# Altium PCB MB1635.PcbDoc (part 1 of 10) (continued)
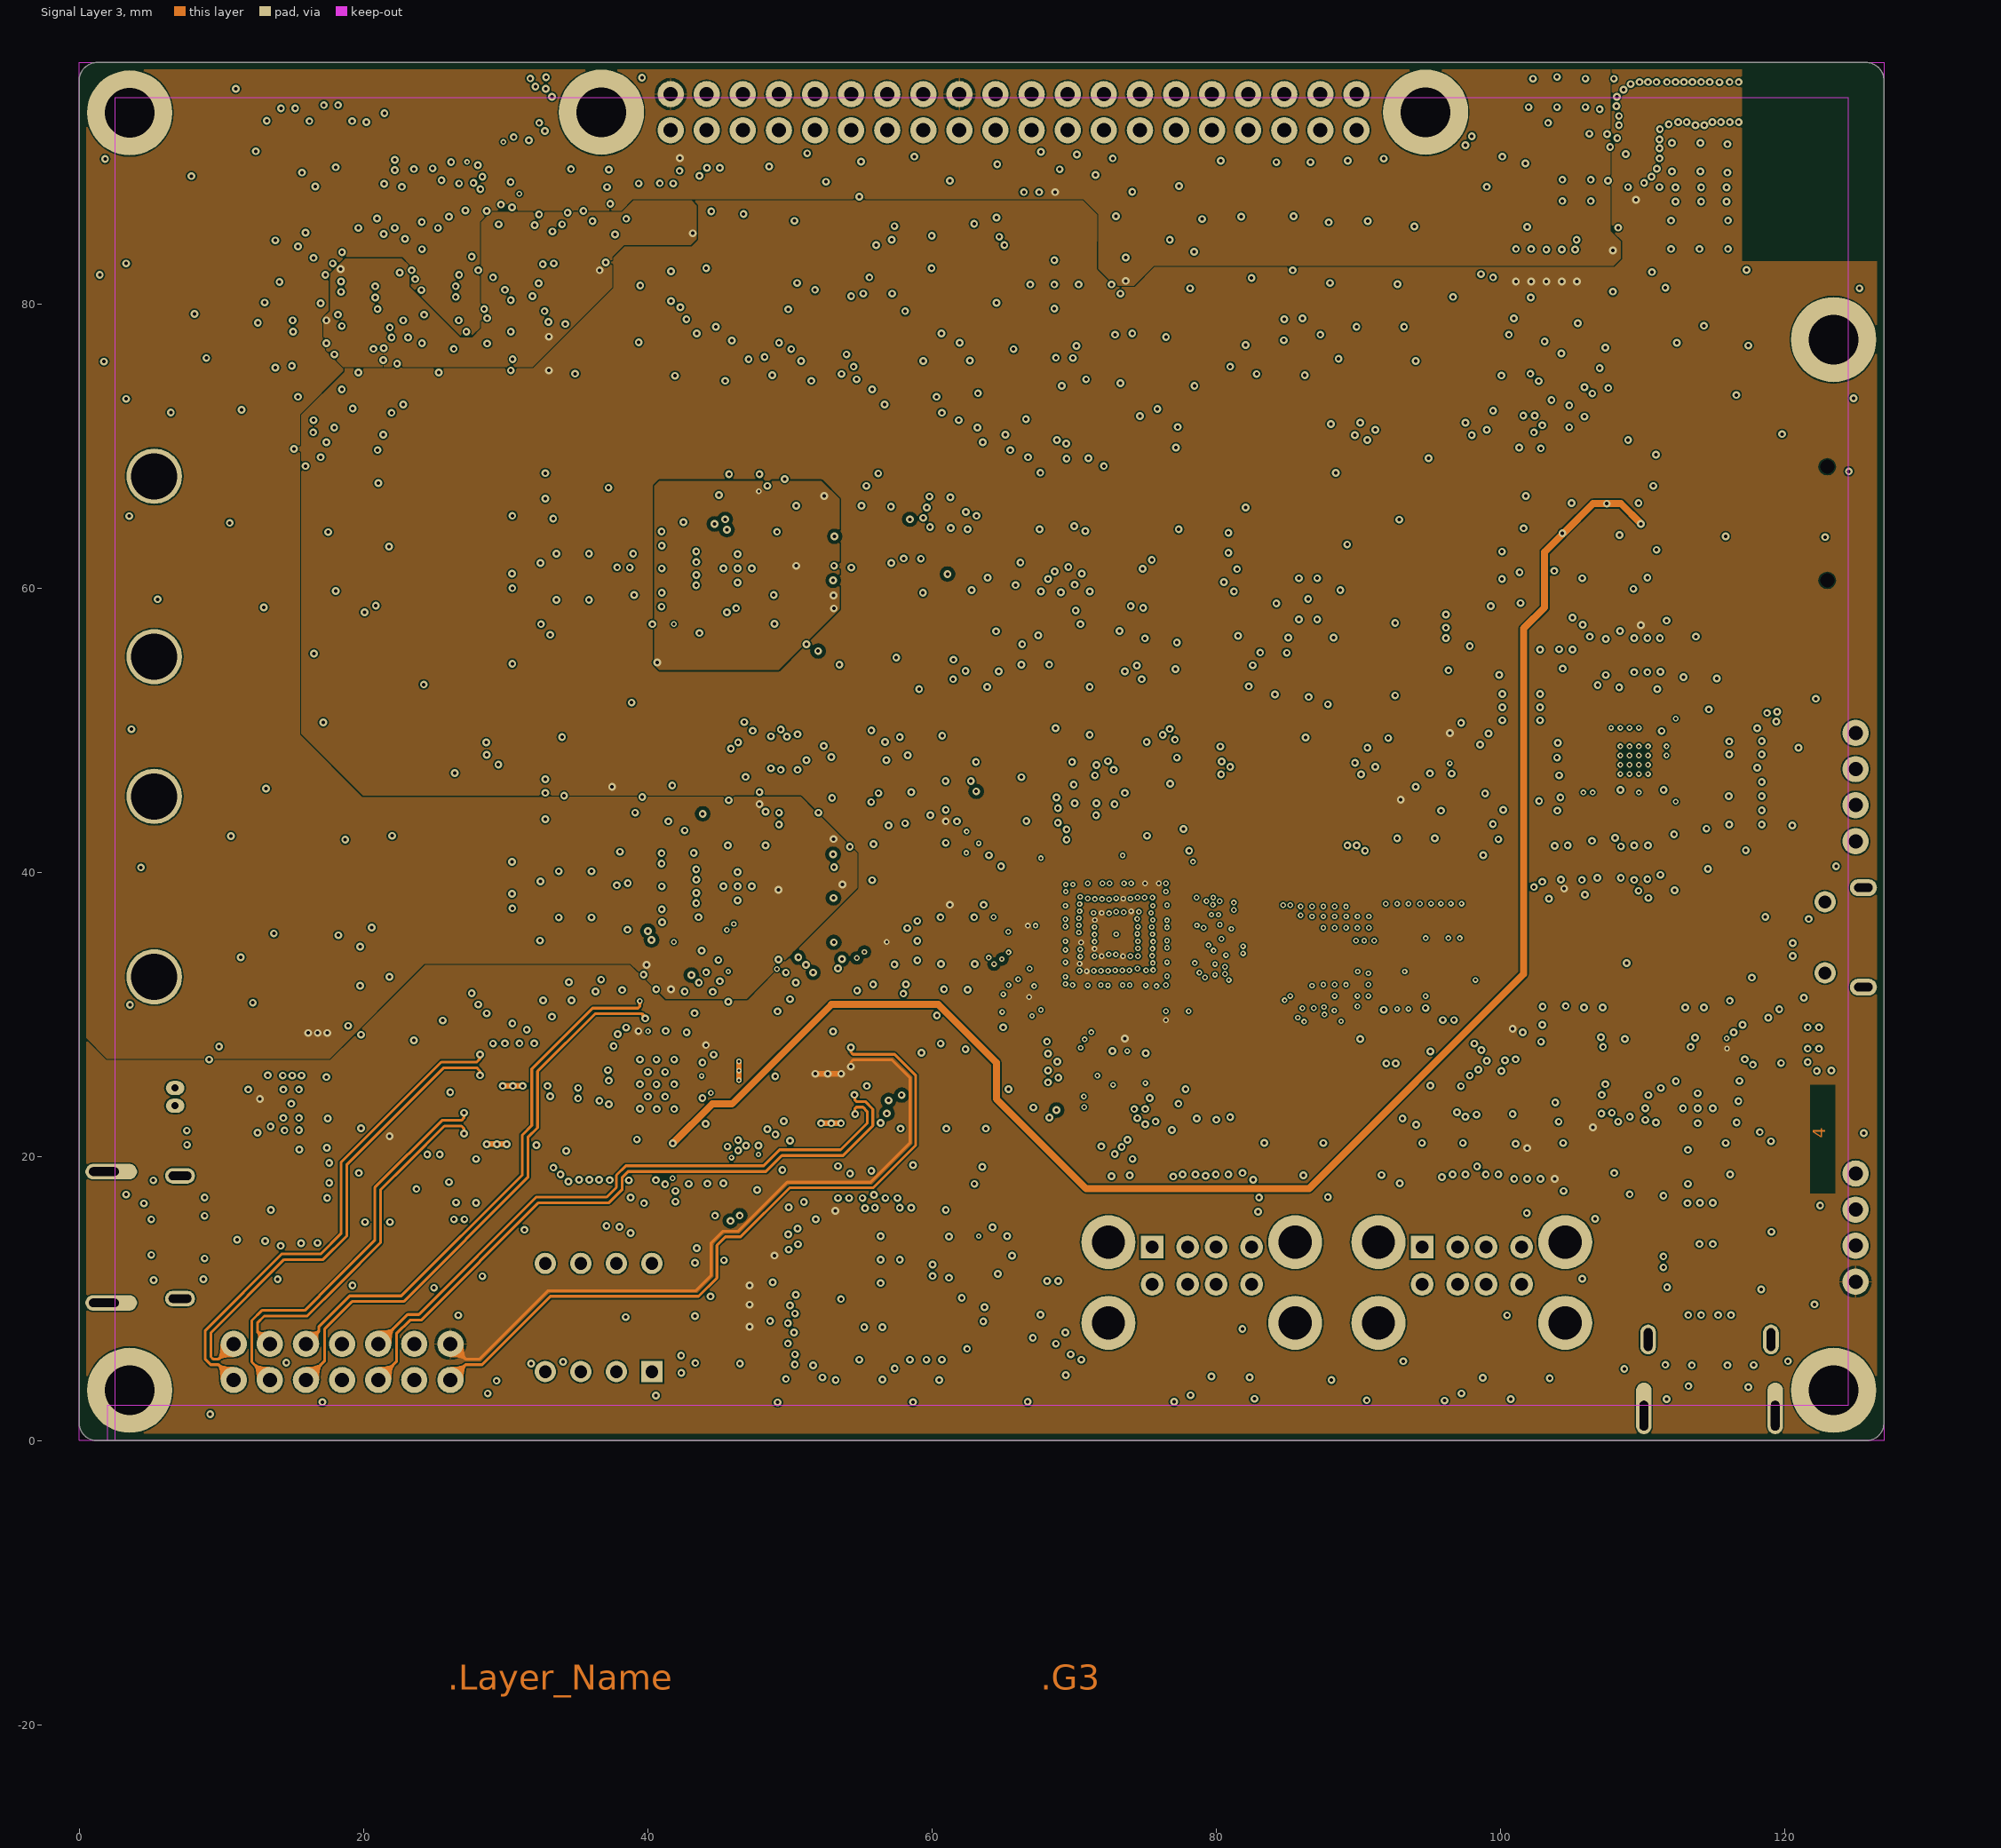
[diagram p4: Signal Layer 3]
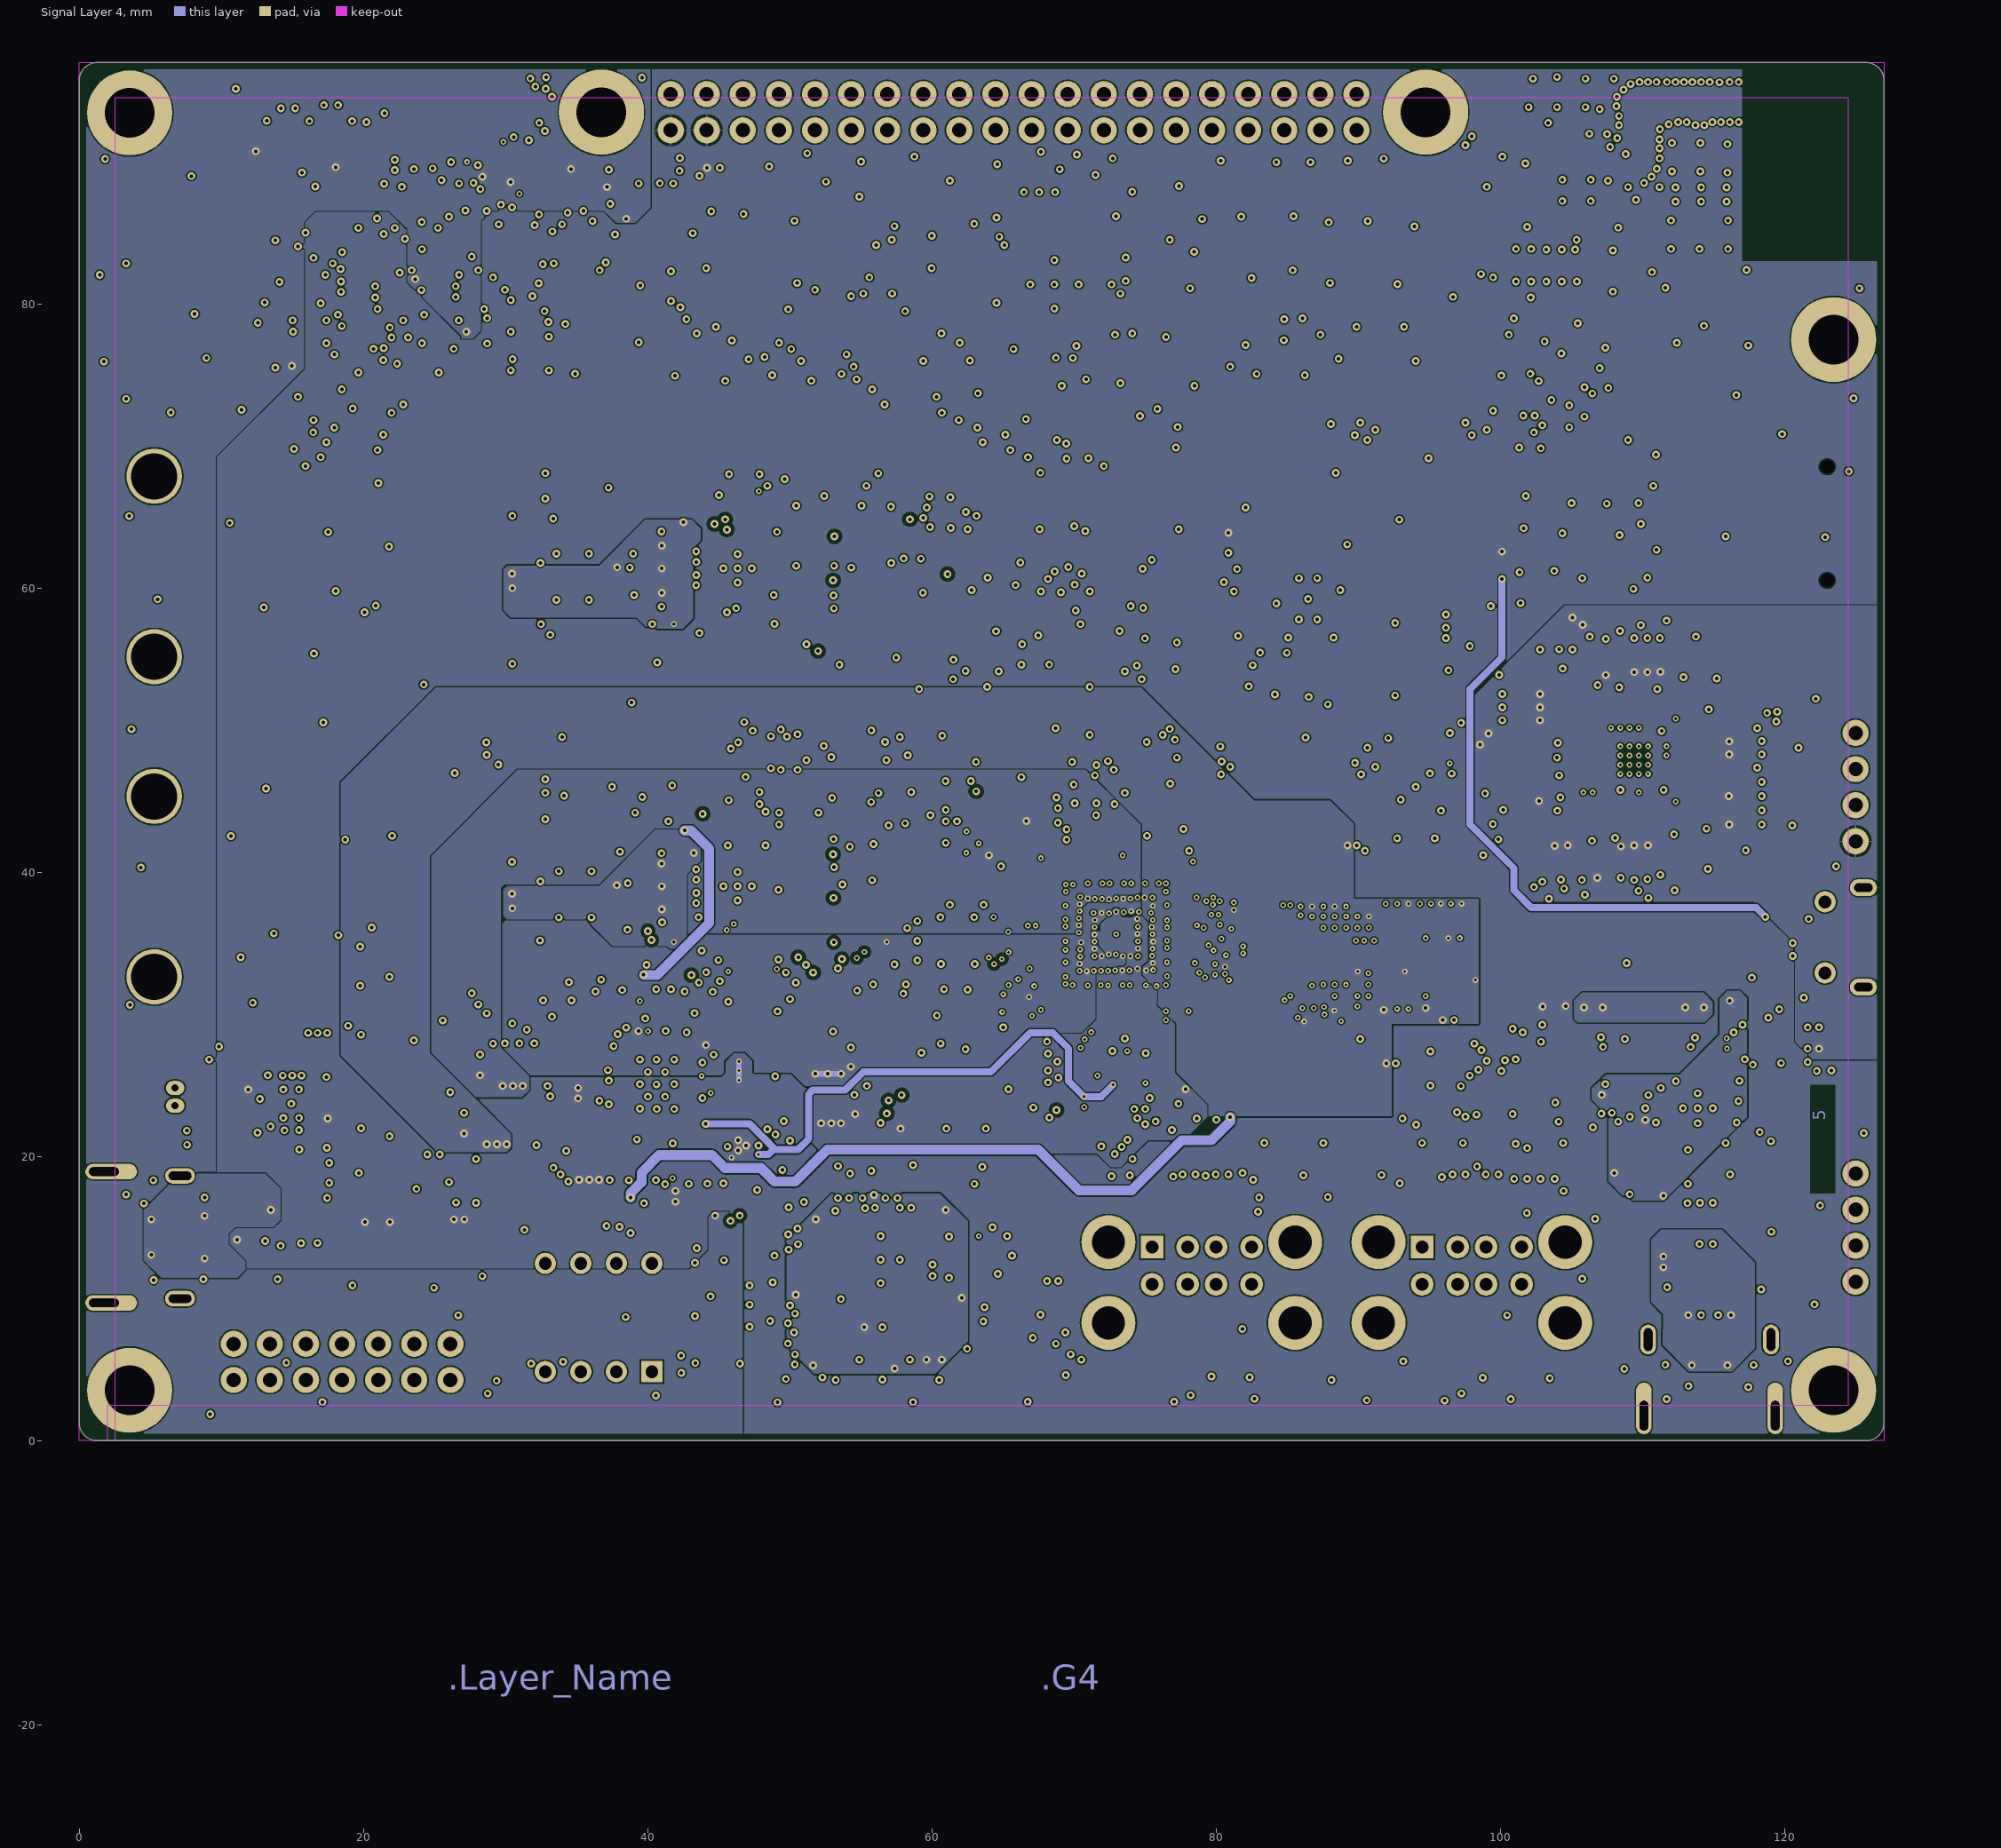
[diagram p5: Signal Layer 4]

## Layer stack, top to bottom
Top Solder: solder mask 0.025, Solder Resist, Dk 3.5
Top Layer: signal copper 0.027
Dielectric 1: prepreg 0.068, Dk 4
Signal Layer 1: signal copper 0.033
Dielectric 2: prepreg 0.51, Dk 4
Signal Layer 2: signal copper 0.033
Dielectric 3: core 0.215, Dk 5
Signal Layer 3: signal copper 0.033
Dielectric 4: prepreg 0.51, Dk 4
Signal Layer 4: signal copper 0.033
Dielectric5: prepreg 0.068, Dk 4
Bottom Layer: signal copper 0.027
Bottom Solder: solder mask 0.025, Solder Resist, Dk 3.5

## Board outline
0,1.27 0,95.73 cw(c1.27,95.73) 1.27,97 125.73,97 cw(c125.73,95.73) 127,95.73 127,1.27 cw(c125.73,1.27) 125.73,0 1.27,0 cw(c1.27,1.27)

## Design rules (kind name [scope] priority, off if disabled: settings)
BoardOutlineClearance [All] p1: gap=0.5 ignorepadtopadclearanceinfootprint=FALSE except(0: Arc-SplitContinuation Track-SplitContinuation SMDPad-SplitContinuation THPad-SplitContinuation Via-SplitContinuation Fill-SplitContinuation Poly-SplitContinuation Region-SplitContinuation Text-SplitContinuation)
Clearance Clearance_keepout_copper [KeepoutRestrictionsCopper] p1: gap=0 ignorepadtopadclearanceinfootprint=FALSE except(0.1: SMDPad-Fill SMDPad-Poly SMDPad-Region Fill-Fill Fill-Poly Fill-Region Poly-Poly Poly-Region Region-Region)
Clearance Clearance_keepout_track [KeepoutRestrictionsTrack] p2: gap=0 ignorepadtopadclearanceinfootprint=FALSE except(0.1: SMDPad-Fill SMDPad-Poly SMDPad-Region Fill-Fill Fill-Poly Fill-Region Poly-Poly Poly-Region Region-Region)
Clearance Clearance_MCU [WithinRoom('RoomDefinition')and TouchesRoom('RoomDefinition')] p3: gap=0.094 ignorepadtopadclearanceinfootprint=FALSE except(0: Arc-Hole Track-Hole SMDPad-Hole THPad-Hole Via-Hole Fill-Hole Poly-Hole Region-Hole Text-Hole; 0.1: Via-Via)
Clearance Clearance_DDR [WithinRoom('RoomDefinition_1')and TouchesRoom('RoomDefinition_1')] p4: gap=0.094 ignorepadtopadclearanceinfootprint=FALSE except(0: Arc-Hole Track-Hole SMDPad-Hole THPad-Hole Via-Hole Fill-Hole Poly-Hole Region-Hole Text-Hole; 0.1: Via-Via)
Clearance Clearance_SDMMC1 [InNetClass('SDMMC1') vs InNetClass('All Nets')] p5: gap=0.1 ignorepadtopadclearanceinfootprint=FALSE except(0: Arc-Hole Track-Hole SMDPad-Hole THPad-Hole Via-Hole Fill-Hole Poly-Hole Region-Hole Text-Hole; 0.15: Arc-Fill Track-Fill SMDPad-Fill THPad-Fill Via-Fill Fill-Fill; 0.2: THPad-THPad; 0.25: Track-Track)
Clearance Clearance_RGMII [InNetClass('RGMII_ETH_RXD_TXD')] p6: gap=0.1 ignorepadtopadclearanceinfootprint=FALSE except(0: Arc-Hole Track-Hole SMDPad-Hole THPad-Hole Via-Hole Fill-Hole Poly-Hole Region-Hole Text-Hole; 0.15: Arc-Fill Arc-Region Track-Fill Track-Region SMDPad-Fill SMDPad-Region THPad-Fill THPad-Region Via-Fill Via-Region Fill-Fill Fill-Region Poly-Region Region-Region; 0.2: Arc-THPad Track-THPad SMDPad-SMDPad SMDPad-THPad THPad-THPad; 0.26: Arc-Poly Track-Poly SMDPad-Poly THPad-Poly Via-Poly Fill-Poly Poly-Poly)
Clearance [All] p7: gap=0.1 ignorepadtopadclearanceinfootprint=FALSE except(0: Arc-Hole Track-Hole SMDPad-Hole THPad-Hole Via-Hole Fill-Hole Poly-Hole Region-Hole Text-Hole; 0.15: Arc-Fill Track-Fill SMDPad-Fill THPad-Fill Via-Fill Fill-Fill; 0.2: THPad-THPad)
ComponentClearance [HasFootprint('TP_SMD_1MM') vs HasFootprint('No Footprint')] p1: gap=0.2 collisioncheckmode=3 verticalgap=0.2 showdistances=FALSE
DiffPairsRouting I_SENSE [InDifferentialPairClass('I_SENSE')] p1: maxlimit=0.2 minlimit=0.2 mostfreqgap=0.2 toplayer_minwidth=0.09 toplayer_maxwidth=0.4 toplayer_prefwidth=0.2 midlayer1_minwidth=0.09 midlayer1_maxwidth=0.4 midlayer1_prefwidth=0.2 midlayer2_minwidth=0.09 midlayer2_maxwidth=0.4 midlayer2_prefwidth=0.2 midlayer3_minwidth=0.09 midlayer3_maxwidth=0.4 midlayer3_prefwidth=0.2 midlayer4_minwidth=0.09 midlayer4_maxwidth=0.4 midlayer4_prefwidth=0.2 bottomlayer_minwidth=0.09 bottomlayer_maxwidth=0.4 bottomlayer_prefwidth=0.2 maxuncoupledlength=12.7
DiffPairsRouting DiffPairsRouting_DIFF_100Ohms [InDifferentialPairClass('Diff_100Ohms')] p2: maxlimit=0.3 minlimit=0.127 mostfreqgap=0.3 toplayer_mingap=0.17 toplayer_maxgap=0.17 toplayer_prefgap=0.17 toplayer_minwidth=0.09 toplayer_maxwidth=0.09 toplayer_prefwidth=0.09 midlayer1_mingap=0.25 midlayer1_minwidth=0.075 midlayer1_maxwidth=0.075 midlayer1_prefwidth=0.075 midlayer2_maxgap=0.127 midlayer2_prefgap=0.127 midlayer2_minwidth=0.075 midlayer2_maxwidth=0.075 midlayer2_prefwidth=0.075 midlayer3_maxgap=0.127 midlayer3_prefgap=0.127 midlayer3_minwidth=0.075 midlayer3_maxwidth=0.075 midlayer3_prefwidth=0.075 midlayer4_mingap=0.3 midlayer4_minwidth=0.075 midlayer4_maxwidth=0.075 midlayer4_prefwidth=0.075 bottomlayer_mingap=0.17 bottomlayer_maxgap=0.17 bottomlayer_prefgap=0.17 bottomlayer_minwidth=0.09 bottomlayer_maxwidth=0.09 bottomlayer_prefwidth=0.09 impedanceprofiledriven=TRUE impedanceprofileid={5577E63A-EB22-4F3A-99DF-7BFE230ABC16} impedanceprofilevalue=100.000000 maxuncoupledlength=12.7
DiffPairsRouting DiffPairsRouting_USB_90Ohms [InDifferentialPairClass('USB_90Ohms')] p3: maxlimit=0.13 minlimit=0.127 mostfreqgap=0.127 toplayer_mingap=0.13 toplayer_prefgap=0.13 toplayer_minwidth=0.1 toplayer_maxwidth=0.1 toplayer_prefwidth=0.1 midlayer1_maxgap=0.127 midlayer1_minwidth=0.066 midlayer1_maxwidth=0.066 midlayer1_prefwidth=0.066 midlayer2_maxgap=0.127 midlayer2_minwidth=0.113 midlayer2_maxwidth=0.113 midlayer2_prefwidth=0.113 midlayer3_maxgap=0.127 midlayer3_minwidth=0.113 midlayer3_maxwidth=0.113 midlayer3_prefwidth=0.113 midlayer4_maxgap=0.127 midlayer4_minwidth=0.066 midlayer4_maxwidth=0.066 midlayer4_prefwidth=0.066 bottomlayer_mingap=0.13 bottomlayer_prefgap=0.13 bottomlayer_minwidth=0.1 bottomlayer_maxwidth=0.1 bottomlayer_prefwidth=0.1 impedanceprofiledriven=TRUE impedanceprofileid={A0CE1C67-AEA5-4110-ADE4-376356967360} impedanceprofilevalue=90.000000 maxuncoupledlength=12.7
FanoutControl Fanout_BGA [IsBGA] p1: bgadir=Out bgaviamode=Closest fanoutstyle=Auto fanoutdirection=Alternating viagrid=0.025 // Fanout_BGA (Default Rule)
FanoutControl Fanout_LCC [IsLCC] p2: bgadir=Out bgaviamode=Closest fanoutstyle=Auto fanoutdirection=Alternating viagrid=0.025 // Fanout_LCC (Default Rule)
FanoutControl Fanout_SOIC [IsSOIC] p3: bgadir=Out bgaviamode=Closest fanoutstyle=Auto fanoutdirection=Alternating viagrid=0.025 // Fanout_SOIC (Default Rule)
FanoutControl Fanout_Small [(CompPinCount < 5)] p4: bgadir=Out bgaviamode=Closest fanoutstyle=Auto fanoutdirection=OutThenIn viagrid=0.025 // Fanout_Small (Default Rule)
FanoutControl Fanout_Default [All] p5: bgadir=Out bgaviamode=Closest fanoutstyle=Auto fanoutdirection=Alternating viagrid=0.025 // Fanout_Default (Default Rule)
HoleSize [All] p1: absolutevalues=TRUE maxlimit=10 minlimit=0.025 maxpercent=80.000 minpercent=20.000
HoleToHoleClearance [All] p1: gap=0.25 allowstackedmicrovias=TRUE
Length Length_SDMMC1 [InNetClass('SDMMC1')] p1: maxlimit=100 minlimit=0
MatchedLengths "Schematic Matched Net Lengths_9" [InNetClass('LCD_R[2..7]')] p1: tolerance=2.54 checknetsindiffpair=FALSE checkdiffpairvsdiffpair=TRUE checkxsignals=TRUE checkothers=TRUE
MatchedLengths "Schematic Matched Net Lengths_8" [InNetClass('LCD_B[2..7]')] p2: tolerance=2.54 checknetsindiffpair=FALSE checkdiffpairvsdiffpair=TRUE checkxsignals=TRUE checkothers=TRUE
MatchedLengths "Schematic Matched Net Lengths_7" [InNetClass('LCD_G[2..7]')] p3: tolerance=2.54 checknetsindiffpair=FALSE checkdiffpairvsdiffpair=TRUE checkxsignals=TRUE checkothers=TRUE
MatchedLengths "Schematic Matched Net Lengths_6" [InNet('LCD_VSYNC')] p4: tolerance=2.54 checknetsindiffpair=FALSE checkdiffpairvsdiffpair=TRUE checkxsignals=TRUE checkothers=TRUE
MatchedLengths "Schematic Matched Net Lengths_5" [InNet('LCD_CLK')] p5: tolerance=2.54 checknetsindiffpair=FALSE checkdiffpairvsdiffpair=TRUE checkxsignals=TRUE checkothers=TRUE
MatchedLengths "Schematic Matched Net Lengths_4" [InNet('LCD_HSYNC')] p6: tolerance=2.54 checknetsindiffpair=FALSE checkdiffpairvsdiffpair=TRUE checkxsignals=TRUE checkothers=TRUE
MatchedLengths "Schematic Matched Net Lengths_3" [InNet('USB_DEV_HS_CN_N')] p7: tolerance=2 checknetsindiffpair=TRUE checkdiffpairvsdiffpair=FALSE checkxsignals=FALSE checkothers=FALSE
MatchedLengths "Schematic Matched Net Lengths_2" [InNet('USB_DEV_HS_N')] p8: tolerance=2 checknetsindiffpair=TRUE checkdiffpairvsdiffpair=FALSE checkxsignals=FALSE checkothers=FALSE
MatchedLengths "Schematic Matched Net Lengths_1" [InNet('USB_DEV_HS_CN_P')] p9: tolerance=2 checknetsindiffpair=TRUE checkdiffpairvsdiffpair=FALSE checkxsignals=FALSE checkothers=FALSE
MatchedLengths "Schematic Matched Net Lengths" [InNet('USB_DEV_HS_P')] p10: tolerance=2 checknetsindiffpair=TRUE checkdiffpairvsdiffpair=FALSE checkxsignals=FALSE checkothers=FALSE
MatchedLengths MatchedLengths_ETH1 [InxSignalClass('RGMII_ETH1')] p11: tolerance=10 checknetsindiffpair=FALSE checkdiffpairvsdiffpair=TRUE checkxsignals=TRUE checkothers=TRUE
MatchedLengths MatchedLengths_ETH2 [InxSignalClass('RGMII_ETH2')] p12: tolerance=10 checknetsindiffpair=FALSE checkdiffpairvsdiffpair=TRUE checkxsignals=TRUE checkothers=TRUE
MatchedLengths MatchedLengths_SDMMC1 [InxSignalClass('SDMMC1')] p13: tolerance=5 checknetsindiffpair=FALSE checkdiffpairvsdiffpair=TRUE checkxsignals=TRUE checkothers=TRUE
MaxMinImpedance "Schematic Impedance Constraint_7" [InNet('USB_DEV_HS_N')] p1: minimum=85.00 maximum=95.00
MaxMinImpedance "Schematic Impedance Constraint_6" [InNet('USB_DEV_HS_CN_P')] p2: minimum=85.00 maximum=95.00
MaxMinImpedance "Schematic Impedance Constraint_5" [InNet('USB_DEV_HS_P')] p3: minimum=85.00 maximum=95.00
MaxMinImpedance "Schematic Impedance Constraint_4" [InNet('USB_DEV_HS_CN_N')] p4: minimum=85.00 maximum=95.00
MaxMinImpedance "Schematic Impedance Constraint_3" [InNet('USB_DEV_HS_CN_P')] p5: minimum=85.00 maximum=95.00
MaxMinImpedance "Schematic Impedance Constraint_1" [InNet('USB_DEV_HS_CN_N')] p6: minimum=85.00 maximum=95.00
MaxMinImpedance "Schematic Impedance Constraint_2" [InNet('USB_DEV_HS_N')] p7: minimum=85.00 maximum=95.00
MaxMinImpedance "Schematic Impedance Constraint" [InNet('USB_DEV_HS_P')] p8: minimum=85.00 maximum=95.00
MinimumSolderMaskSliver [All] p1: minsoldermaskwidth=0.1
PlaneConnect [All] p1: planeconnectstyle=Relief reliefexpansion=0.508 reliefentries=4 reliefconductorwidth=0.21 reliefairgap=0.21
PolygonConnect PolygonConnect_NO_FT [IsNamedPolygon('NO_FT')] p1: connectstyle=Direct reliefconductorwidth=0.254 reliefentries=4 polygonreliefangle="90 Angle" airgapwidth=0.254
PolygonConnect [All] p2: thpad.connectstyle=Relief thpad.reliefconductorwidth=0.1 thpad.reliefentries=4 thpad.polygonreliefangle="90 Angle" thpad.airgapwidth=0.2 smdpad.connectstyle=Relief smdpad.reliefconductorwidth=0.1 smdpad.reliefentries=4 smdpad.polygonreliefangle="90 Angle" smdpad.airgapwidth=0.2 via.connectstyle=Direct via.reliefconductorwidth=0.2 via.reliefentries=4 via.polygonreliefangle="90 Angle" via.airgapwidth=0.2
RoomDefinition [InComponentClass('Room Definition 1') vs False] p1: confinementstyle=ConfineIn formatcopy=TRUE lockcomponents=FALSE outline 65.175,43.125 81.275,43.125 81.275,27.725 65.175,27.725
RoomDefinition RoomDefinition_1 [InComponentClass('Components Class 1')] p2: confinementstyle=ConfineIn formatcopy=TRUE lockcomponents=FALSE outline 74.9,40.7 79.1,44.9 88.375,44.9 92.175,41.1 97.15,41.1 99.625,38.625 99.625,31.4 96.4,28.175 92.85,28.175 91.025,26.35 91.025,24.625 89.425,23.025 81,23.025 77.638,26.388 77.638,29.884 74.9,32.621
RoutingVias [All] p1: holewidth=0.2 width=0.4 viastyle="Through Hole" minholewidth=0.1 minwidth=0.2 maxholewidth=0.35 maxwidth=0.55
ShortCircuit ShortCircuit_LNK2 [InPadClass('LNK2')] p1: allowed=TRUE
ShortCircuit ShortCircuit_LNK1 [InPadClass('LNK1')] p2: allowed=TRUE
ShortCircuit [All] p3: allowed=FALSE
SilkToSilkClearance [All] p1: silktosilkclearance=0.2
SilkToSolderMaskClearance [IsPad] p1: minsilkscreentomaskgap=0.2 clearancetoexposedcopper=TRUE
SolderMaskExpansion [All] p1: expansion=0.1 istentingtop=FALSE
Width Width_MCU [WithinRoom('RoomDefinition')and TouchesRoom('RoomDefinition')] p1: maxlimit=10 minlimit=0.075 preferedwidth=0.09 toplayer_prefwidth=0.075 minimp=50.000000 maximp=50.000000 favimp=50.000000
Width Width_50Ohms [InNetClass('50_Ohms')] p2: maxlimit=0.219 minlimit=0.077 preferedwidth=0.219 toplayer_minwidth=0.1 toplayer_maxwidth=0.1 toplayer_prefwidth=0.1 midlayer1_maxwidth=0.077 midlayer1_prefwidth=0.077 midlayer2_minwidth=0.219 midlayer3_minwidth=0.219 midlayer4_maxwidth=0.077 midlayer4_prefwidth=0.077 bottomlayer_minwidth=0.1 bottomlayer_maxwidth=0.1 bottomlayer_prefwidth=0.1 impedanceprofiledriven=TRUE impedanceprofileid={CEAE712B-4FFB-4667-9AAD-FAB2F10F3795} impedanceprofilevalue=50.000000 minimp=50.000000 maximp=50.000000 favimp=50.000000
Width Width_ALIMS [InNetClass('ALIMS')] p3: maxlimit=10 minlimit=0.09 preferedwidth=0.2
Width [All] p4: maxlimit=10 minlimit=0.075 preferedwidth=0.1
16 further rules are at their usual default settings.

## Classes and differential pairs
component class U_USB_TypeC_DRP: TP78
component class U_Peripherals: HW1301 HW1302 HW1303
net class LTDC: LCD_B2 LCD_B3 LCD_B4 LCD_B5 LCD_B6 LCD_B7 LCD_CLK LCD_G2 LCD_G3 LCD_G4 LCD_G5 LCD_G6 LCD_G7 LCD_HSYNC LCD_R2 LCD_R3 LCD_R4 LCD_R5 LCD_R6 LCD_R7 LCD_VSYNC
net class 50_Ohms: DCMI_D0 DCMI_D1 DCMI_D2 DCMI_D3 DCMI_D4 DCMI_D5 DCMI_D6 DCMI_D7 DCMI_HSYNC DCMI_PIXCLK DCMI_VSYNC ETH1_CLK ETH1_CRS_DV ETH1_MDC ETH1_MDINT ETH1_MDIO ETH1_RX_CLK ETH1_RXD0 ETH1_RXD1 ETH1_TX_EN ETH1_TXD0 ETH1_TXD1 ETH2_CLK ETH2_CRS_DV ETH2_MDC ETH2_MDINT ETH2_MDIO ETH2_RXD0 ETH2_RXD1 ETH2_TX_EN ETH2_TXD0 ETH2_TXD1 LCD_B2 LCD_B3 LCD_B4 LCD_B5 LCD_B6 LCD_B7 LCD_CLK LCD_G2 LCD_G3 LCD_G4 LCD_G5 LCD_G6 LCD_G7 LCD_HSYNC LCD_R2 LCD_R3 LCD_R4 LCD_R5 LCD_R6 LCD_R7 LCD_VSYNC NetC229_2 NetCN3_1 NetCN3_2 NetCN3_5 NetCN3_7 NetCN3_8 NetR29_1 NetR32_1 NetR41_2 NetR48_1 NetR50_2 NetR78_1 NetR83_1 NetR98_2 NetR102_1 NetR106_2 SDMMC1_CK SDMMC1_D0 SDMMC1_D1 SDMMC1_D2 SDMMC1_D3 SDMMC2_CK SDMMC2_D0 SDMMC2_D1 SDMMC2_D2 SDMMC2_D3 T_SWCLK T_SWDIO T_SWO
net class ALIMS: 1V8_PERIPH 3V3_AO 3V3_STLK 3V3_SW 5V_USB_CHGR 5V_VIN GND NetC83_2 VDD VDD_ADC VDD_CORE VDD_CPU VDD_DDR VDD_LS VDD_SD VDD_USB VREF_DDR
differential pair class USB_90Ohms: USB1CN25 USB2CN25 USB3CN26 USB4CN26 USB_D1 USB_D2 USB_DCONN USB_DEV_HS USB_DEV_HS_CN USBDN1 USBDN2 USBDN3 USBDN4
net class SDMMC1: NetCN3_1 NetCN3_2 NetCN3_5 NetCN3_7 NetCN3_8 SDMMC1_CK SDMMC1_D0 SDMMC1_D1 SDMMC1_D2 SDMMC1_D3
net class RGMII_ETH_RXD_TXD: ETH1_CRS_DV ETH1_RXD0 ETH1_RXD1 ETH1_TX_EN ETH1_TXD0 ETH1_TXD1 ETH2_CRS_DV ETH2_RXD0 ETH2_RXD1 ETH2_TX_EN ETH2_TXD0 ETH2_TXD1
net class RGMII_ETH1: ETH1_CLK ETH1_CRS_DV ETH1_MDC ETH1_MDINT ETH1_MDIO ETH1_RX_CLK ETH1_RXD0 ETH1_RXD1 ETH1_TX_EN ETH1_TXD0 ETH1_TXD1 NetC229_2 NetR78_1 NetR83_1 NetR98_2 NetR102_1 NetR106_2
net class RGMII_ETH2: ETH2_CLK ETH2_CRS_DV ETH2_MDC ETH2_MDINT ETH2_MDIO ETH2_RXD0 ETH2_RXD1 ETH2_TX_EN ETH2_TXD0 ETH2_TXD1 NetR29_1 NetR32_1 NetR41_2 NetR48_1 NetR50_2
differential pair class Diff_100Ohms: CLK1 DATA1 DATA2 DDR_CLK DDR_DQS0 DDR_DQS1 RD1 RD2 TD1 TD2
differential pair CLK1: +CLK_P -CLK_N
differential pair DATA2: +DATA2_P -DATA2_N
differential pair DATA1: +DATA1_P -DATA1_N
differential pair USB_D1: +USB_D1_P -USB_D1_N
differential pair USBDN4: +USBDN4_P -USBDN4_N
differential pair USBDN3: +USBDN3_P -USBDN3_N
differential pair USBDN2: +USBDN2_P -USBDN2_N
differential pair USBDN1: +USBDN1_P -USBDN1_N
differential pair USB_DEV_HS: +USB_DEV_HS_P -USB_DEV_HS_N
differential pair USB_DEV_HS_CN: +USB_DEV_HS_CN_P -USB_DEV_HS_CN_N
differential pair USB_DCONN: +USB_DCONN_P -USB_DCONN_N
differential pair USB_D2: +USB_D2_P -USB_D2_N
differential pair USB4CN26: +USB4CN26_P -USB4CN26_N
differential pair USB3CN26: +USB3CN26_P -USB3CN26_N
differential pair USB2CN25: +USB2CN25_P -USB2CN25_N
differential pair USB1CN25: +USB1CN25_P -USB1CN25_N
differential pair TD2: +TD2_P -TD2_N
differential pair TD1: +TD1_P -TD1_N
differential pair RD2: +RD2_P -RD2_N
differential pair RD1: +RD1_P -RD1_N
differential pair DDR_DQS1: +DDR_DQS1_P -DDR_DQS1_N
differential pair DDR_DQS0: +DDR_DQS0_P -DDR_DQS0_N
differential pair DDR_CLK: +DDR_CLK_P -DDR_CLK_N
